# Altium PCB PMT_simulator.PcbDoc (part 3 of 5) (continued)
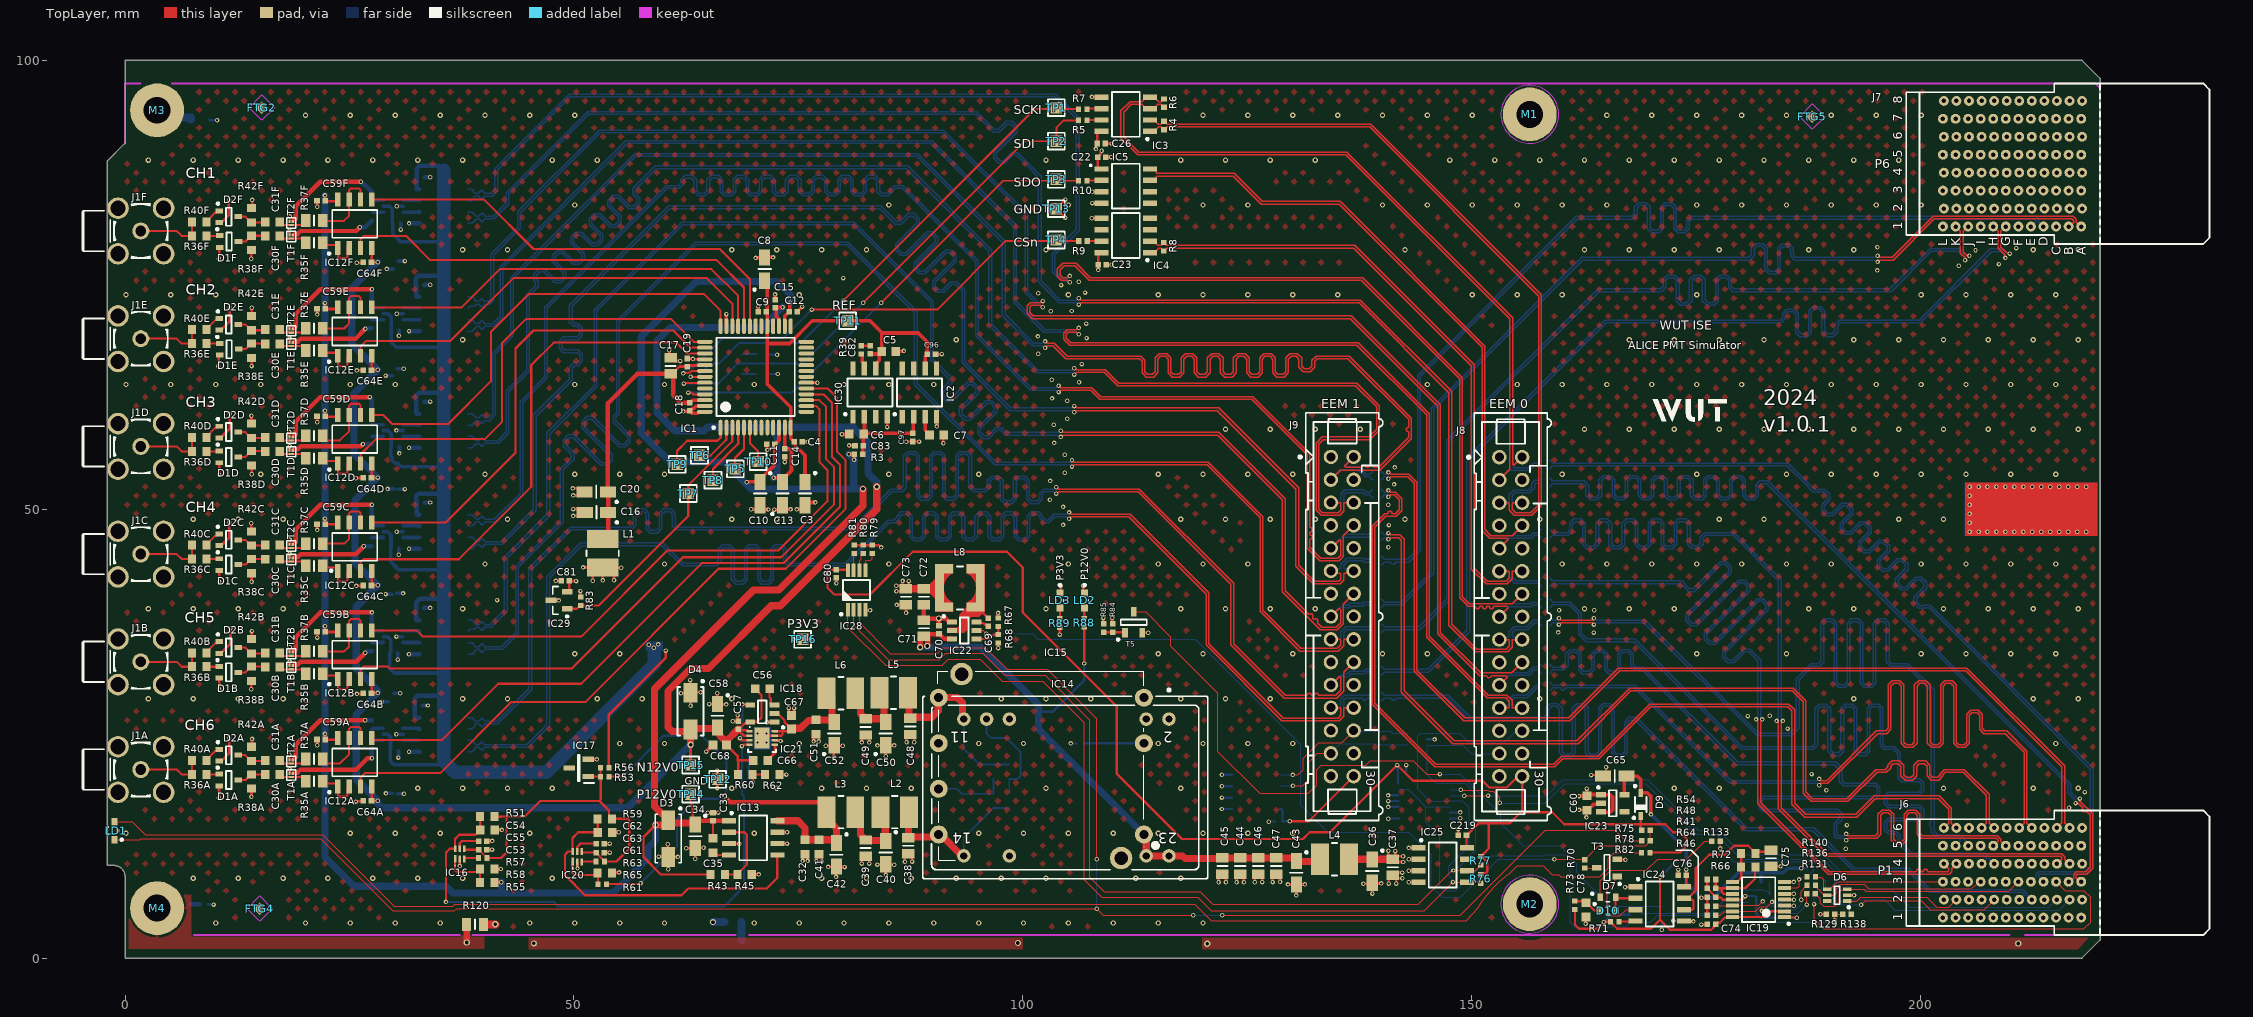
[diagram p0: TopLayer view]
## Nets (pads, with @x,y where several pads share a name; then routed paths per layer and width w, separated by ;. In a path a pad name is that pad's centre, name@x,y a point inside that pad or via, vN(x,y) a via of type N, cw(c..) or ccw(c..) an arc to the next point about the centre after c; other vN are vias at no path point) (continued)
  BottomLayer w0.4: v1(28.589,28.557) 28.594,28.553 C94.2@29.315,28.553 ; v1(29.025,64.892) 29.029,64.887 C91.2@29.751,64.887 ; v1(29.025,40.554) 29.03,40.549 C93.2@29.751,40.549 ; v1(29.06,18.34) 29.065,18.335 C95.2@29.786,18.335 ; v1(29.152,76.768) 29.156,76.763 C92.2@29.878,76.763 ; v1(29.247,52.261) 29.251,52.257 C90.2@29.973,52.257 ; C94.2@29.943,29.494 30.665,29.494 v1(30.669,29.49) ; v1(30.228,35.809) 30.233,35.804 IC35.2@30.954,35.804 ; v1(30.233,58.78) 30.238,58.775 IC33.2@30.959,58.775 ; v1(30.238,24.933) 30.242,24.928 IC36.2@30.964,24.928 ; v1(30.247,47.505) 30.251,47.5 IC34.2@30.973,47.5 ; C93.2@30.248,40.619 30.97,40.619 v1(30.974,40.614) ; v1(30.266,83.758) 30.271,83.753 IC31.2@30.992,83.753 ; v1(30.268,71.787) 30.272,71.782 IC32.2@30.994,71.782 ; C91.2@30.33,65.657 31.051,65.657 v1(31.056,65.652) ; C95.2@30.335,18.3 31.057,18.3 v1(31.061,18.296) ; v1(30.39,33.252) 30.395,33.256 C88.1@30.395,33.978 ; C90.2@30.449,52.249 31.17,52.249 v1(31.175,52.244) ; v1(30.453,22.338) 30.457,22.342 C89.1@30.457,23.064 ; C92.2@30.457,77.66 31.178,77.66 v1(31.183,77.655) ; v1(30.491,44.937) 30.495,44.942 C87.1@30.495,45.663 ; v1(30.506,69.325) 30.518,69.337 30.518,69.917 C85.1@30.531,69.929 ; v1(30.568,56.215) 30.573,56.22 C86.1@30.573,56.941 ; v1(30.712,81.157) 30.716,81.162 C84.1@30.716,81.883
  BottomLayer w0.5: v1(31.624,33.838) 32.793,33.838 IC10.5@32.8,33.845 ; v1(31.631,22.98) IC11.5@32.8,22.98 IC11.5@32.807,22.987 ; v1(31.631,45.595) IC9.5@32.8,45.595 IC9.5@32.807,45.602 ; v1(31.631,56.845) IC8.5@32.8,56.845 IC8.5@32.807,56.852 ; v1(31.631,69.845) IC7.5@32.8,69.845 IC7.5@32.807,69.852 ; v1(31.631,81.845) IC6.5@32.8,81.845 IC6.5@32.807,81.852 ; C24.1@33.154,28.133 v1(33.739,28.133) ; C27.1@33.323,38.99 33.334,39 v1(34,39) ; C25.1@33.325,74.961 33.365,75 v1(34,75) ; C28.1@33.352,61.98 33.373,62 v1(34,62) ; C29.1@33.375,50.743 33.382,50.75 v1(34,50.75) ; C21.1@33.406,86.991 33.415,87 v1(34,87)
  BottomLayer w0.9: v3(65.5,4) R119.2@66.8,4
  other v1: 191.72,12.174 73.75,12.75 148.547,14.367 191.838,14.814 216.592,16.728 218.329,18.489 189.549,18.678 187.895,20.498 21.398,23.7 185.227,25.562 180.79,26.959 183.235,26.991 73.942,27.853 21.398,35.7 163.623,36.255 159.666,36.273 159.763,38.751 163.684,38.745 41.447,39.88 140.758,45.763 205.5,47.5 206.5,47.5 207.5,47.5 208.5,47.5 209.5,47.5 210.5,47.5 211.5,47.5 212.5,47.5 213.5,47.5 214.5,47.5 215.5,47.5 216.5,47.5 217.5,47.5 218.5,47.5 21.398,47.7 140.807,48.231 104.5,48.25 205.5,48.5 205.5,49.5 104.5,50.25 140.742,50.503 205.5,50.5 103.04,51.054 205.5,51.5 205.5,52.5 206.5,52.5 207.5,52.5 208.5,52.5 209.5,52.5 210.5,52.5 211.5,52.5 212.5,52.5 213.5,52.5 214.5,52.5 215.5,52.5 216.5,52.5 217.5,52.5 218.5,52.5 141.378,52.762 103.075,53.159 104.694,54.07 141.458,54.654 104.694,56.069 80.666,57.115 103.509,57.387 79.862,58.35 103.465,59.412 21.398,59.7 104.977,60.084 104.959,62.083 103.279,62.34 106.286,64.144 103.252,64.418 106.587,66.179 101.74,67.32 107.126,69.071 101.704,69.248 107.082,70.681 21.398,71.7 103.12,72.061 105.481,72.087 101.74,74.051 106.958,74.139 104.287,74.971 106.26,75.333 80,75.75 195.215,76.603 204.3,77.13 208.78,77.312 206.164,78.844 210.691,79.095 195.236,79.178 21.398,83.7
  other v2: 10.1,3.9 20.1,3.9 25.1,3.9 30.1,3.9 35.1,3.9 45.1,3.9 50.1,3.9 55.1,3.9 60.1,3.9 70.1,3.9 75.1,3.9 80.1,3.9 85.1,3.9 90.1,3.9 95.1,3.9 100.1,3.9 105.1,3.9 110.1,3.9 115.1,3.9 120.1,3.9 7.6,8.9 12.6,8.9 17.6,8.9 22.6,8.9 27.6,8.9 32.6,8.9 37.6,8.9 47.6,8.9 77.6,8.9 82.6,8.9 87.6,8.9 92.6,8.9 97.6,8.9 102.6,8.9 112.6,8.9 117.6,8.9 0.1,13.9 25.1,13.9 30.1,13.9 35.1,13.9 45.1,13.9 70.1,13.9 95.1,13.9 100.1,13.9 105.1,13.9 110.1,13.9 115.1,13.9 120.1,13.9 125.1,13.9 130.1,13.9 32.6,18.9 37.6,18.9 42.6,18.9 47.6,18.9 67.6,18.9 72.6,18.9 77.6,18.9 82.6,18.9 87.6,18.9 102.6,18.9 117.6,18.9 172.6,18.9 177.6,18.9 202.6,18.9 212.6,18.9 217.6,18.9 55.1,23.9 60.1,23.9 75.1,23.9 95.1,23.9 100.1,23.9 115.1,23.9 120.1,23.9 125.1,23.9 130.1,23.9 215.1,23.9 2.6,28.9 7.6,28.9 12.6,28.9 17.6,28.9 37.6,28.9 42.6,28.9 52.6,28.9 57.6,28.9 67.6,28.9 97.6,28.9 102.6,28.9 107.6,28.9 117.6,28.9 122.6,28.9 127.6,28.9 157.6,28.9 192.6,28.9 212.6,28.9 217.6,28.9 50.1,33.9 55.1,33.9 115.1,33.9 120.1,33.9 130.1,33.9 140.1,33.9 145.1,33.9 175.1,33.9 185.1,33.9 200.1,33.9 205.1,33.9 210.1,33.9 215.1,33.9 2.6,38.9 7.6,38.9 12.6,38.9 17.6,38.9 37.6,38.9 102.6,38.9 117.6,38.9 122.6,38.9 127.6,38.9 132.6,38.9 162.6,38.9 167.6,38.9 172.6,38.9 187.6,38.9 192.6,38.9 202.6,38.9 207.6,38.9 212.6,38.9 217.6,38.9 40.1,43.9 60.1,43.9 85.1,43.9 105.1,43.9 115.1,43.9 120.1,43.9 125.1,43.9 160.1,43.9 165.1,43.9 170.1,43.9 175.1,43.9 180.1,43.9 185.1,43.9 190.1,43.9 200.1,43.9 205.1,43.9 210.1,43.9 215.1,43.9 7.6,48.9 12.6,48.9 17.6,48.9 42.6,48.9 67.6,48.9 72.6,48.9 117.6,48.9 122.6,48.9 127.6,48.9 132.6,48.9 142.6,48.9 157.6,48.9 177.6,48.9 182.6,48.9 197.6,48.9 202.6,48.9 15.1,53.9 20.1,53.9 40.1,53.9 50.1,53.9 55.1,53.9 60.1,53.9 85.1,53.9 95.1,53.9 115.1,53.9 120.1,53.9 125.1,53.9 130.1,53.9 160.1,53.9 175.1,53.9 185.1,53.9 190.1,53.9 195.1,53.9 200.1,53.9 205.1,53.9 210.1,53.9 215.1,53.9 122.6,58.9 127.6,58.9 132.6,58.9 137.6,58.9 162.6,58.9 167.6,58.9 172.6,58.9 177.6,58.9 182.6,58.9 187.6,58.9 192.6,58.9 197.6,58.9 202.6,58.9 207.6,58.9 212.6,58.9 217.6,58.9 0.1,63.9 5.1,63.9 10.1,63.9 15.1,63.9 20.1,63.9 25.1,63.9 30.1,63.9 50.1,63.9 60.1,63.9 70.1,63.9 80.1,63.9 85.1,63.9 90.1,63.9 145.1,63.9 155.1,63.9 160.1,63.9 165.1,63.9 170.1,63.9 175.1,63.9 180.1,63.9 185.1,63.9 190.1,63.9 195.1,63.9 200.1,63.9 205.1,63.9 210.1,63.9 215.1,63.9 37.6,68.9 92.6,68.9 167.6,68.9 172.6,68.9 177.6,68.9 182.6,68.9 192.6,68.9 197.6,68.9 202.6,68.9 207.6,68.9 212.6,68.9 217.6,68.9 0.1,73.9 5.1,73.9 10.1,73.9 15.1,73.9 20.1,73.9 75.1,73.9 105.1,73.9 115.1,73.9 120.1,73.9 125.1,73.9 130.1,73.9 135.1,73.9 150.1,73.9 155.1,73.9 160.1,73.9 175.1,73.9 200.1,73.9 205.1,73.9 210.1,73.9 215.1,73.9 37.6,78.9 42.6,78.9 67.6,78.9 72.6,78.9 77.6,78.9 82.6,78.9 102.6,78.9 142.6,78.9 162.6,78.9 167.6,78.9 172.6,78.9 177.6,78.9 187.6,78.9 192.6,78.9 212.6,78.9 217.6,78.9 50.1,83.9 85.1,83.9 105.1,83.9 120.1,83.9 125.1,83.9 140.1,83.9 145.1,83.9 150.1,83.9 155.1,83.9 160.1,83.9 165.1,83.9 175.1,83.9 180.1,83.9 185.1,83.9 190.1,83.9 195.1,83.9 200.1,83.9 2.6,88.9 7.6,88.9 12.6,88.9 17.6,88.9 22.6,88.9 27.6,88.9 32.6,88.9 37.6,88.9 47.6,88.9 52.6,88.9 102.6,88.9 117.6,88.9 122.6,88.9 127.6,88.9 132.6,88.9 147.6,88.9 152.6,88.9 157.6,88.9 162.6,88.9 167.6,88.9 172.6,88.9 177.6,88.9 182.6,88.9 187.6,88.9 192.6,88.9 197.6,88.9 20.1,93.9 25.1,93.9 30.1,93.9 35.1,93.9 40.1,93.9 45.1,93.9 50.1,93.9 120.1,93.9 125.1,93.9 130.1,93.9 135.1,93.9 140.1,93.9 145.1,93.9 150.1,93.9 165.1,93.9 170.1,93.9 175.1,93.9 180.1,93.9 185.1,93.9 190.1,93.9 195.1,93.9 200.1,93.9
I2C0_SCL: D8.3 IC25.6 IC27.1 IC28.2 J8.27 R77.1 | length 124.6
  TopLayer w0.125: IC28.2@81.175,38.8 81.175,37.075 85,33.25 90.75,33.25 91.44,33.94 95.56,33.94 98,31.5 102.5,31.5 107.5,26.5 107.5,9 109.1,7.4 119.769,7.4 121.169,6 144.079,6 147.757,9.678 147.928,9.678 v1(148,9.75) 149.48,9.75 IC25.6@149.5,9.73 150.41,9.73 150.794,10.114 150.794,10.134 151.022,10.361 R77.1@151.042,10.361
  BottomLayer w0.125: 148.25,9.75 150.5,12 150.5,18.25 149.3,19.45 IC27.1@147.65,19.45 146.05,19.45 145.089,20.411 D8.3@145.089,23.732 149.018,23.732 149.972,22.778 J8.27@153.114,22.778
I2C0_SDA: D8.1 IC25.5 IC27.4 IC28.1 J8.26 R76.1 | length 132.6
  TopLayer w0.125: IC28.1@80.525,38.8 80.525,36.806 84.731,32.6 91.019,32.6 91.71,33.29 95.29,33.29 97.731,30.85 102.231,30.85 106.85,26.231 106.85,8.731 108.831,6.75 119.5,6.75 121,5.25 144.727,5.25 v1(147.939,8.463) 149.497,8.463 IC25.5@149.5,8.46 149.54,8.5 R76.1@151.03,8.5
  BottomLayer w0.125: 148.189,8.463 147.5,9.152 147.5,10.25 149.75,12.5 149.75,16.75 149,17.5 IC27.4@147.65,17.5 147.601,17.451 145.347,17.451 144,18.798 144,24.75 144.282,25.032 D8.1@145.089,25.032 148.718,25.032 149.75,24 153.665,24 154.746,25.08 155.416,25.08 J8.26@155.654,25.318
I2C1_SCL: D8.4 IC26.6 J9.27 | length 17.4
  TopLayer w0.125: v1(130.109,19.201) 131.201,19.201 131.924,19.924 131.924,21.883 132.845,22.804 J9.27@134.344,22.804
  BottomLayer w0.125: IC26.6@128.7,19.135 128.766,19.201 v1(130.109,19.201) ; J9.27@134.344,22.804 134.344,22.844 135.366,23.866 139.402,23.866 139.518,23.75 142.871,23.75 D8.4@142.889,23.732
I2C1_SDA: D8.6 IC26.5 J9.26 | length 17.1
  TopLayer w0.125: v1(130.101,20.404) 130.67,20.404 131.25,20.984 131.25,22.25 133,24 135.54,24 J9.26@136.884,25.344
  BottomLayer w0.125: IC26.5@128.7,20.405 128.701,20.404 v1(130.101,20.404) ; J9.26@136.884,25.344 136.978,25.25 141,25.25 141.218,25.032 D8.6@142.889,25.032
LED_OVT: IC28.3 LD1.1 R78.1 | length 232.4
  TopLayer w0.125: LD1.1@-1.178,13.185 1.631,13.185 1.716,13.27 21.801,13.27 29.801,5.27 36.699,5.27 36.928,5.5 v1(108.25,5.5) 109,4.75 v1(119,4.75) ; IC28.3@81.825,38.8 81.825,37.344 85.269,33.9 90.481,33.9 91.171,34.59 95.829,34.59 98.269,32.15 102.769,32.15 108.25,26.669 v1(108.25,11) ; v1(122.25,4.75) 148.75,4.75 158.25,14.25 166,14.25 167.209,13.041 R78.1@168.981,13.041
  BottomLayer w0.125: v1(108.25,5.5) v1(108.25,11) ; v1(119,4.75) v1(122.25,4.75)
LVDS.LVDS_N0: IC3.4 J8.3 R6.2 R161.2 | length 84.4
  TopLayer w0.14: R6.2@115.75,95.72 115.73,95.72 115.427,95.417 115.139,95.417 114.905,95.652 114.905,95.675 114.675,95.905 IC3.4@114.2,95.905 113.725,95.905 113.495,95.675 113.495,95.618 113.389,95.512 113.389,95.502 113.307,95.42 111.996,95.42 110.95,94.374 110.95,91.376 112.826,89.5 136,89.5 154.298,71.202 154.298,54.442 J8.3@153.114,53.258
  BottomLayer w0.14: J8.3@153.114,53.258 154.19,54.334 156.508,54.334 157.024,54.85 157.478,54.85 157.56,54.768 157.56,54.72 R161.2@157.78,54.5
LVDS.LVDS_N1: IC3.1 J8.6 R4.1 R162.2 | length 86.3
  TopLayer w0.14: IC3.1@114.2,92.095 114.675,92.095 114.905,92.325 114.905,92.356 115.149,92.6 115.428,92.6 115.51,92.518 115.51,92.5 115.73,92.28 R4.1@115.75,92.28 115.77,92.28 115.99,92.5 115.99,92.518 116.072,92.6 138.65,92.6 157.5,73.75 157.5,50.5 156.616,49.616 154.919,49.616 154.534,50 154.534,50.636 154.616,50.718 J8.6@155.654,50.718
  BottomLayer w0.14: J8.6@155.654,50.718 154.616,50.718 154.534,50.8 154.534,51.53 154.83,51.826 156.5,51.826 157.05,52.376 157.05,52.766 157.19,52.906 157.422,52.906 157.56,52.768 157.56,52.72 R162.2@157.78,52.5
LVDS.LVDS_N2: IC5.7 J8.9 R163.2 | length 75.7
  TopLayer w0.14: IC5.7@114.2,86.635 114.646,86.635 114.876,86.865 114.876,87.035 114.959,87.117 123.458,87.117 126.576,84 135.25,84 151.2,68.05 151.2,47.626 152.053,46.772 153.968,46.772 154.05,46.69 154.05,46.574 J8.9@153.114,45.638
  BottomLayer w0.14: J8.9@153.114,45.638 154.249,46.773 156.697,46.773 157.024,47.1 157.478,47.1 157.56,47.018 157.56,46.97 R163.2@157.78,46.75
LVDS.LVDS_N3: IC4.1 J8.12 R8.1 R164.2 | length 77
  TopLayer w0.14: IC4.1@114.2,78.595 114.675,78.595 115.175,79.095 115.415,79.095 115.497,79.013 115.497,78.995 115.717,78.775 R8.1@115.737,78.775 115.757,78.775 115.977,78.995 115.977,79.013 116.059,79.095 136.905,79.095 150,66 150,43.326 151.633,41.693 153.982,41.693 154.534,42.245 154.534,43.016 154.616,43.098 J8.12@155.654,43.098
  BottomLayer w0.14: J8.12@155.654,43.098 154.633,43.098 154.534,43 154.534,42.466 154.973,42.027 157.444,42.027 157.54,42.123 157.56,42.123 157.78,42.343 R164.2@157.78,42.363
LVDS.LVDS_N4: IC6.1 J8.15 R11.1 R167.2 | length 185.6
  TopLayer w0.14: v1(105.25,76) 105.188,76 104.988,75.8 104.45,75.8 104.181,76.069 104.181,76.666 104.616,77.101 105.822,77.101 107.423,75.5 137.75,75.5 148.7,64.55 148.7,40.126 149.658,39.168 149.916,39.168 150.38,39.168 150.478,39.069 150.478,39.012 150.577,38.914 150.774,38.914 150.872,39.012 150.872,39.069 150.971,39.168 151.168,39.168 151.266,39.069 151.266,39.012 151.365,38.914 151.562,38.914 151.66,39.012 151.66,39.069 151.759,39.168 151.956,39.168 152.054,39.069 152.054,39.012 152.153,38.914 152.35,38.914 152.448,39.012 152.448,39.069 152.547,39.168 152.653,39.168 153.984,39.168 154.066,39.086 154.066,38.97 J8.15@153.114,38.018
  BottomLayer w0.14: IC6.1@38.2,85.655 38.643,85.655 38.873,85.425 38.873,85.277 38.955,85.195 39.404,85.195 39.486,85.277 39.486,85.295 39.706,85.515 R11.1@39.726,85.515 39.746,85.515 39.966,85.295 39.966,85.277 40.048,85.195 40.77,85.195 41.2,85.624 41.2,87.95 49.5,96.25 103.674,96.25 106.3,93.624 106.3,81.05 103.6,78.35 103.6,76.574 104.424,75.75 104.988,75.75 105.238,76 v1(105.25,76) ; J8.15@153.114,38.018 154.243,39.147 156.74,39.147 156.944,39.35 157.478,39.35 157.56,39.268 157.56,39.22 R167.2@157.78,39
LVDS.LVDS_N5: IC6.4 J8.18 R13.2 R168.2 | length 183.8
  TopLayer w0.14: v1(106.25,72.8) 106.312,72.8 106.512,73 112.971,73 126.952,73 137.5,73 147.5,63 147.5,37.076 150.463,34.113 154.021,34.113 154.534,34.626 154.534,35.396 154.616,35.478 J8.18@155.654,35.478
  BottomLayer w0.14: IC6.4@38.2,81.845 38.675,81.845 38.905,82.075 38.905,82.094 39.153,82.342 39.441,82.342 39.738,82.045 R13.2@39.758,82.045 39.778,82.045 39.998,82.265 39.998,82.283 40.08,82.365 41.115,82.365 42.75,84 42.75,85.076 51.674,94 94.75,94 96.534,92.216 96.733,92.017 97.39,92.017 98.294,92.921 98.703,92.921 99.112,92.512 99.112,92.103 96.771,89.763 96.771,89.105 97.355,88.521 98.013,88.521 98.917,89.425 99.325,89.425 100.323,88.427 101.75,87 101.75,75.326 104.076,73 105.988,73 106.188,72.8 v1(106.25,72.8) ; J8.18@155.654,35.478 155.383,35.75 154.616,35.75 154.534,35.832 154.534,36.25 154.871,36.586 156.266,36.586 157.03,37.35 157.478,37.35 157.56,37.268 157.56,37.22 R168.2@157.78,37
LVDS.LVDS_N6: IC7.1 J8.21 R15.1 R169.2 | length 184.6
  TopLayer w0.14: v1(102.25,73.2) 102.188,73.2 101.988,73 100.85,73 100.503,72.653 100.503,71.822 101.076,71.25 136.5,71.25 146.25,61.5 146.25,36.127 150.914,31.463 151.193,31.463 151.657,31.463 151.755,31.364 151.755,31.307 151.854,31.209 152.051,31.209 152.149,31.307 152.149,31.364 152.248,31.463 152.606,31.463 153.899,31.463 153.981,31.381 153.981,31.265 J8.21@153.114,30.398
  BottomLayer w0.14: IC7.1@38.2,73.655 38.675,73.655 38.905,73.425 38.905,73.368 38.996,73.277 38.996,73.252 39.078,73.17 39.171,73.17 39.191,73.15 39.428,73.15 39.51,73.232 39.51,73.25 39.73,73.47 R15.1@39.75,73.47 39.77,73.47 39.99,73.25 39.99,73.232 40.072,73.15 40.5,73.15 40.75,73.4 40.75,78.424 43.75,81.424 43.75,83.174 52.826,92.25 91.174,92.25 100.568,82.856 100.568,74.231 101.799,73 101.988,73 102.188,73.2 v1(102.25,73.2) ; J8.21@153.114,30.398 154.219,31.503 156.427,31.503 157.024,32.1 157.478,32.1 157.56,32.018 157.56,31.97 R169.2@157.78,31.75
LVDS.LVDS_N7: IC7.4 J8.24 R17.2 R170.2 | length 184.5
  TopLayer w0.14: v1(106.25,69.5) 106.188,69.5 105.988,69.7 105.095,69.7 104.884,69.489 104.884,69.04 105.374,68.55 137.374,68.55 145.3,60.624 145.3,35.874 151.874,29.3 153.935,29.3 154.534,28.701 154.534,27.94 154.616,27.858 J8.24@155.654,27.858
  BottomLayer w0.14: IC7.4@38.2,69.845 38.675,69.845 38.905,70.075 38.905,70.132 39.048,70.275 39.048,70.287 39.165,70.404 39.386,70.404 39.73,70.06 R17.2@39.75,70.06 39.77,70.06 39.99,70.28 39.99,70.298 40.072,70.38 41.054,70.38 42.071,71.397 42.071,76.897 55.924,90.75 89.75,90.75 99,81.5 99,73.076 102.376,69.7 105.988,69.7 106.188,69.5 v1(106.25,69.5) ; J8.24@155.654,27.858 155.375,28.138 154.647,28.138 154.534,28.25 154.534,28.75 154.784,29 156.244,29 157.344,30.1 157.478,30.1 157.56,30.018 157.56,29.97 R170.2@157.78,29.75
LVDS.LVDS_N8: IC8.1 J9.3 R19.1 R171.2 | length 185.7
  TopLayer w0.14: v1(102.5,68.7) 102.562,68.7 102.762,68.5 103.5,68.5 104.95,67.05 111.397,67.05 113.135,67.05 113.6,66.585 113.6,65.307 113.889,65.018 114.467,65.018 114.756,65.307 114.756,66.854 115.221,67.319 116.047,67.319 116.512,66.854 116.512,65.307 116.801,65.018 117.379,65.018 117.668,65.307 117.668,66.854 118.133,67.319 118.959,67.319 119.424,66.854 119.424,65.307 119.713,65.018 120.291,65.018 120.58,65.307 120.58,66.854 121.045,67.319 121.871,67.319 122.336,66.854 122.336,65.307 122.625,65.018 123.203,65.018 123.492,65.307 123.492,66.854 123.957,67.319 124.783,67.319 125.248,66.854 125.248,65.307 125.537,65.018 126.115,65.018 126.404,65.307 126.404,66.854 126.869,67.319 127.695,67.319 128.16,66.854 128.16,65.307 128.449,65.018 129.027,65.018 129.316,65.307 129.316,66.854 129.781,67.319 130.607,67.319 131.072,66.854 131.072,65.932 131.361,65.643 131.939,65.643 132.228,65.932 132.228,66.585 132.693,67.05 134.03,67.05 136.374,67.05 143.3,60.124 143.3,57.876 139.774,54.35 136.974,54.35 ccw(c136.884,53.284) 136.794,54.35 135.41,54.35 J9.3@134.344,53.284
  BottomLayer w0.14: IC8.1@38.2,60.655 38.675,60.655 38.905,60.425 38.905,60.398 39.123,60.18 39.428,60.18 39.51,60.262 39.51,60.28 39.73,60.5 R19.1@39.75,60.5 39.77,60.5 39.99,60.28 39.99,60.262 40.072,60.18 40.5,60.18 40.95,60.63 40.95,67.45 42.95,69.45 42.95,75.789 56.772,89.611 88.313,89.611 98.05,79.874 98.05,71.7 101.25,68.5 102.238,68.5 102.438,68.7 v1(102.5,68.7) ; J9.3@134.344,53.284 135.476,54.416 137.334,54.416 138.15,53.6 138.728,53.6 138.81,53.518 138.81,53.47 R171.2@139.03,53.25
LVDS.LVDS_N9: IC8.4 J9.6 R21.2 R172.2 | length 186.5
  TopLayer w0.14: v1(105.75,65) 105.762,65 106.012,65.25 109.076,65.25 110.576,63.75 137.076,63.75 139.433,61.393 139.433,58.933 138.568,58.068 133.394,58.068 132.7,57.374 132.7,49.876 133.266,49.309 135.311,49.309 135.764,49.762 135.764,50.662 135.846,50.744 J9.6@136.884,50.744
  BottomLayer w0.14: IC8.4@38.2,56.845 38.675,56.845 38.905,57.075 38.905,57.132 39.04,57.267 39.196,57.267 39.216,57.287 39.473,57.287 39.73,57.03 R21.2@39.75,57.03 39.77,57.03 39.99,57.25 39.99,57.268 40.072,57.35 41.624,57.35 42.756,58.482 42.756,63.082 45.05,65.376 45.05,73.8 45.593,74.343 46.024,74.774 46.024,75.431 45.827,75.627 45.827,76.036 46.236,76.445 46.645,76.445 47.868,75.222 48.525,75.222 49.11,75.806 49.11,76.463 47.887,77.687 47.887,78.095 48.295,78.504 48.704,78.504 49.927,77.281 50.585,77.281 51.169,77.865 51.169,78.522 49.946,79.746 49.946,80.154 50.354,80.563 50.763,80.563 51.986,79.34 52.644,79.34 53.228,79.924 53.228,80.581 52.005,81.805 52.005,82.213 52.413,82.622 52.822,82.622 54.045,81.399 54.703,81.399 55.287,81.983 55.287,82.64 54.064,83.864 54.064,84.273 54.472,84.681 54.881,84.681 56.105,83.458 56.762,83.458 57.346,84.042 57.346,84.7 56.852,85.194 56.852,85.602 56.964,85.714 59.2,87.95 87.05,87.95 96.25,78.75 96.25,70.5 101.55,65.2 105.488,65.2 105.688,65 v1(105.75,65) ; J9.6@136.884,50.744 135.846,50.744 135.764,50.826 135.764,51.605 136.02,51.861 137.889,51.861 138.15,51.6 138.728,51.6 138.81,51.518 138.81,51.47 R172.2@139.03,51.25
LVDS.LVDS_N10: IC9.1 J9.9 R23.1 R173.2 | length 185.4
  TopLayer w0.14: v1(104,63.75) 104.062,63.75 104.262,63.55 107.7,63.55 108.7,62.55 125.624,62.55 132,56.174 132,48.478 132,48.008 132.099,47.91 132.156,47.91 132.254,47.811 132.254,47.614 132.156,47.516 132.099,47.516 132,47.417 132,47.22 132.099,47.122 132.156,47.122 132.254,47.023 132.254,46.826 132.156,46.728 132.099,46.728 132,46.629 132,46.165 132,45.75 133.201,44.549 135.125,44.549 135.448,44.872 135.448,46.488 135.366,46.57 135.25,46.57 J9.9@134.344,45.664
  BottomLayer w0.14: IC9.1@38.2,49.405 38.675,49.405 38.905,49.175 38.905,49.139 39.124,48.92 39.171,48.92 39.191,48.9 39.428,48.9 39.51,48.982 39.51,49 39.73,49.22 R23.1@39.75,49.22 39.77,49.22 39.99,49 39.99,48.982 40.072,48.9 41.15,48.9 44,51.75 44,62 46.75,64.75 46.75,72.5 60.3,86.05 61.471,86.05 61.629,86.05 61.918,86.339 61.918,86.737 62.383,87.202 63.209,87.202 63.674,86.737 63.674,85.51 63.963,85.221 64.541,85.221 64.83,85.51 64.83,86.737 65.295,87.202 66.121,87.202 66.586,86.737 66.586,85.51 66.875,85.221 67.453,85.221 67.742,85.51 67.742,86.737 68.207,87.202 69.033,87.202 69.498,86.737 69.498,85.51 69.787,85.221 70.365,85.221 70.654,85.51 70.654,86.737 71.119,87.202 71.945,87.202 72.41,86.737 72.41,85.51 72.699,85.221 73.277,85.221 73.566,85.51 73.566,86.737 74.031,87.202 74.857,87.202 75.322,86.737 75.322,85.51 75.611,85.221 76.189,85.221 76.478,85.51 76.478,86.737 76.943,87.202 77.769,87.202 78.234,86.737 78.234,85.51 78.523,85.221 79.101,85.221 79.39,85.51 79.39,86.737 79.855,87.202 80.681,87.202 81.146,86.737 81.146,85.51 81.435,85.221 82.013,85.221 82.302,85.51 82.302,86.737 82.767,87.202 83.593,87.202 84.058,86.737 84.058,85.51 84.347,85.221 84.925,85.221 85.214,85.51 85.214,85.585 85.679,86.05 86.566,86.05 86.7,86.05 95.05,77.7 95.05,69.45 100.95,63.55 103.738,63.55 103.938,63.75 v1(104,63.75) ; J9.9@134.344,45.664 135.567,46.887 138.643,46.887 138.79,46.74 138.81,46.74 139.03,46.52 R173.2@139.03,46.5
LVDS.LVDS_N11: IC9.4 J9.12 R25.2 R174.2 | length 185.5
  TopLayer w0.14: v1(105.75,60.8) 105.812,60.8 106.012,61 121.701,61 130.45,52.251 130.45,43.626 132.378,41.697 135.364,41.697 135.764,42.097 135.764,42.75 135.874,42.86 136.62,42.86 J9.12@136.884,43.124
  BottomLayer w0.14: IC9.4@38.2,45.595 38.675,45.595 38.905,45.825 38.905,45.835 39.17,46.1 39.428,46.1 39.51,46.018 39.51,46 39.73,45.78 R25.2@39.75,45.78 39.77,45.78 39.99,46 39.99,46.018 40.072,46.1 42.024,46.1 45.8,49.876 45.8,60.376 49.8,64.376 49.8,65.123 49.8,65.707 50.089,65.996 50.485,65.996 50.95,66.461 50.95,67.288 50.485,67.752 48.945,67.752 48.656,68.041 48.656,68.619 48.945,68.908 50.485,68.908 50.95,69.373 50.95,70.2 50.485,70.664 50.089,70.664 49.8,70.953 49.8,71.111 49.8,72.626 60.674,83.5 84.076,83.5 84.756,82.82 85.809,81.767 86.466,81.767 87.37,82.671 87.778,82.671 88.187,82.262 88.187,81.854 85.846,79.513 85.846,78.856 86.431,78.271 87.088,78.271 89.429,80.612 89.838,80.612 90.246,80.203 90.246,79.794 87.906,77.454 87.906,76.797 88.49,76.212 89.147,76.212 91.488,78.553 91.897,78.553 92.305,78.144 92.305,77.735 89.965,75.395 89.965,74.737 90.549,74.153 91.206,74.153 92.11,75.057 92.519,75.057 92.631,74.945 93.25,74.326 93.25,66.326 98.576,61 105.488,61 105.688,60.8 v1(105.75,60.8) ; J9.12@136.884,43.124 136.618,43.39 135.874,43.39 135.764,43.5 135.764,43.764 136.25,44.25 137.915,44.25 138.065,44.1 138.728,44.1 138.81,44.018 138.81,43.97 R174.2@139.03,43.75
LVDS.LVDS_N12: IC10.1 J9.15 R27.1 R175.2 | length 182.9
  TopLayer w0.14: v1(104.25,58.75) 104.312,58.75 104.512,58.55 121.874,58.55 129.234,51.191 129.234,40.941 131.837,38.337 131.887,38.288 132.026,38.288 132.066,38.328 132.206,38.328 132.345,38.189 132.345,38.049 132.305,38.009 132.305,37.87 132.444,37.73 132.583,37.73 132.623,37.771 132.763,37.771 132.902,37.631 132.902,37.492 132.862,37.452 132.862,37.313 132.996,37.178 133.3,36.874 134.95,36.874 135.429,37.353 135.429,38.849 135.347,38.931 135.231,38.931 J9.15@134.344,38.044
  BottomLayer w0.14: IC10.1@38.2,37.655 38.675,37.655 38.905,37.425 38.905,37.362 39.117,37.15 39.41,37.15 39.73,37.47 R27.1@39.75,37.47 39.77,37.47 39.99,37.25 39.99,37.232 40.072,37.15 40.65,37.15 42.25,38.75 42.25,44.674 47,49.424 47,58.5 52.25,63.75 52.25,72.25 62,82 81.25,82 90.05,73.2 90.05,66.7 91.204,65.546 92.083,64.667 92.083,64.01 91.179,63.106 91.179,62.698 91.588,62.289 91.996,62.289 93.852,64.145 94.509,64.145 95.094,63.56 95.094,62.903 93.238,61.047 93.238,60.638 93.647,60.23 94.055,60.23 95.911,62.086 96.568,62.086 97.153,61.501 97.153,60.844 95.297,58.988 95.297,58.579 95.706,58.171 96.114,58.171 97.018,59.075 97.675,59.075 97.875,58.875 98.2,58.55 103.988,58.55 104.188,58.75 v1(104.25,58.75) ; J9.15@134.344,38.044 135.408,39.108 135.608,39.108 135.696,39.02 136.326,39.02 136.522,39.217 137.891,39.217 138.007,39.333 138.728,39.333 138.81,39.251 138.81,39.22 R175.2@139.03,39
LVDS.LVDS_N13: IC10.4 J9.18 R29.2 R176.2 | length 185.9
  TopLayer w0.14: v1(105.5,54.75) 105.562,54.75 105.762,54.95 120.55,54.95 126.45,49.05 126.45,38.626 130.876,34.2 135.173,34.2 135.764,34.791 135.764,35.422 135.846,35.504 J9.18@136.884,35.504
  BottomLayer w0.14: IC10.4@38.2,33.845 38.675,33.845 38.905,34.075 38.905,34.132 39.16,34.387 39.403,34.387 39.73,34.06 R29.2@39.75,34.06 39.77,34.06 39.99,34.28 39.99,34.298 40.072,34.38 42.054,34.38 43.8,36.126 43.8,43.55 48.8,48.55 48.8,54.376 49.472,55.048 50.02,55.596 50.02,56.253 49.116,57.157 49.116,57.566 49.525,57.974 49.934,57.974 53.009,54.899 53.666,54.899 54.251,55.483 54.251,56.141 51.175,59.216 51.175,59.625 51.584,60.033 51.993,60.033 55.068,56.958 55.725,56.958 56.31,57.543 56.31,58.2 54.671,59.838 54.671,60.247 54.783,60.359 55.05,60.626 55.05,70.876 63.624,79.45 80.376,79.45 87.95,71.876 87.95,63.876 96.876,54.95 105.238,54.95 105.438,54.75 v1(105.5,54.75) ; J9.18@136.884,35.504 135.846,35.504 135.764,35.586 135.764,36.25 136.111,36.598 138.682,36.598 138.79,36.49 138.81,36.49 139.03,36.27 R176.2@139.03,36.25